# Altium PCB 控制板.PcbDoc (part 6 of 12) (continued)
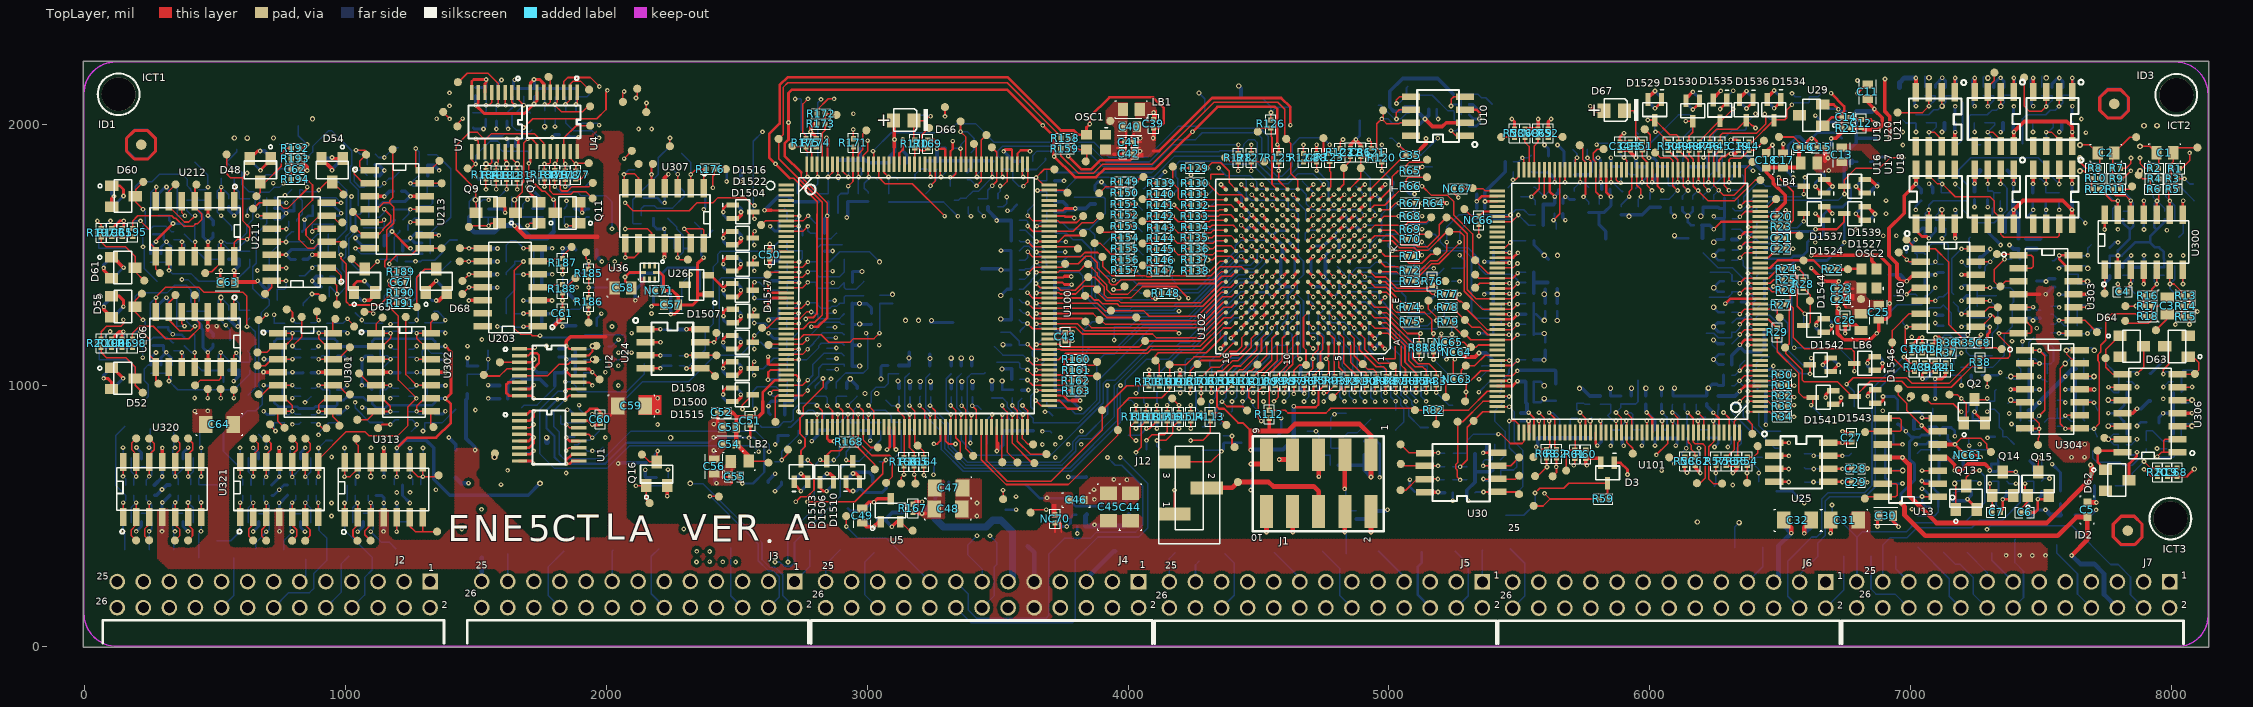
[diagram p0: TopLayer view]
## Nets (pads, with @x,y where several pads share a name; then routed paths per layer and width w, separated by ;. In a path a pad name is that pad's centre, name@x,y a point inside that pad or via, vN(x,y) a via of type N, cw(c..) or ccw(c..) an arc to the next point about the centre after c; other vN are vias at no path point) (continued)
  MidLayer3 w6: v1(1681.9,1225.9) 1722.8,1266.8 1722.8,1513.8 1964.5,1755.5 2048.7,1755.5 2093.6,1800.4 2093.6,1844.2 v1(2068,1869.8)
  BottomLayer w6: R612.2@1648.1,1225.5 1649.4,1224.2 R608.1@1721.5,1224.2
NetR613_2: pad.182@3521.1,564.2 R129.1 R609.1 R613.2 U203.2 | length 4633.8
  TopLayer w6: v1(1681.9,1275.9) 1682.63,1276.63 U203.2@1736.9,1276.63 ; v1(3520.7,599) 3521.1,598.6 pad.182@3521.1,564.2 ; v1(4206.9,1831.3) 4209.6,1834 R129.1@4241.1,1834
  MidLayer2 w6: v1(1595.7,620) 1625.7,650 1798.2,650 1816.5,631.7 2004.4,631.7 2012.7,640 2224,640 2266.1,682.1 2574,682.1 2611.9,644.2 3071.1,644.2 3079.4,635.9 3483.8,635.9 v1(3520.7,599)
  MidLayer3 w6: v1(1595.7,620) 1595.7,722.5 1626.1,752.9 1626.1,1220.1 v1(1681.9,1275.9) ; v1(3520.7,599) 3566.7,645 3727.8,645 3751.6,668.8 3790.3,668.8 3881.9,760.4 3881.9,881.3 4001.9,1001.3 4001.9,1787.5 4029.9,1815.5 4111.5,1815.5 4129,1798 4173.6,1798 v1(4206.9,1831.3)
  BottomLayer w6: R613.2@1647.7,1275 R609.1@1721.5,1275
NetR615_1: pad.80@1447.8,1350.9 R615.1 U203.11 | length 127.7
  TopLayer w6: pad.80@1447.8,1350.9 1473.4,1376.5 U203.11@1526.1,1376.5
  BottomLayer w6: v1(1473.6,1376.3) 1474.9,1375 R615.1@1511.9,1375
NetR616_1: pad.79@1448.2,1400.9 R616.1 U203.10 | length 127.3
  TopLayer w6: pad.79@1448.2,1400.9 1473.73,1426.43 U203.10@1526.1,1426.43
  BottomLayer w6: v1(1473.2,1426.3) 1473.6,1425.9 R616.1@1511.9,1425.9
NetR617_1: pad.78@1437.8,1476.3 R617.1 U203.9 | length 128.5
  TopLayer w6: pad.78@1437.8,1476.3 1437.87,1476.37 U203.9@1526.1,1476.37
  BottomLayer w6: v1(1472.4,1475.9) 1472.8,1475.5 R617.1@1512.4,1475.5
NetR618_1: pad.77@1438.6,1526.7 R618.1 U203.8 | length 126.1
  TopLayer w6: pad.77@1438.6,1526.7 1439,1526.3 U203.8@1526.1,1526.3
  BottomLayer w6: v1(1473.6,1525.9) 1474,1525.5 R618.1@1511.9,1525.5
NetR620_2: pad.120@2063.2,2087.5 R175.2 R620.2 | length 1479.9
  TopLayer w6: pad.120@2063.2,2087.5 2063.2,2122.1 v1(2068.2,2127.1) ; R175.2@2764.9,1946.2 2764.9,1957.1 2753.4,1968.6 2753.4,2079.4 v1(2773.2,2099.2)
  MidLayer2 w6: v1(2068.2,2127.1) 2074.8,2120.5 2244.9,2120.5 2247.9,2117.5 2754.9,2117.5 v1(2773.2,2099.2)
  MidLayer3 w6: v1(1847.4,1708) 1866.6,1708 2010.3,1851.7 2010.3,2069.2 v1(2068.2,2127.1)
  BottomLayer w6: R620.2@1838.2,1677.9 1847.4,1687.1 v1(1847.4,1708)
NetR623_2: pad.70@1428.6,1993.8 R588.1 R623.2 | length 2221.2
  TopLayer w6: pad.70@1428.6,1993.8 1428.6,2003 v1(1449,2023.4)
  MidLayer2 w6: v1(1449,2023.4) 1456.9,2031.3 1938.2,2031.3 1945.3,2038.4 2594.9,2038.4 2604.5,2048 2773.7,2048 v1(2822.8,2097.1)
  MidLayer3 w6: v1(1449,2023.4) 1449,1853 1476.1,1825.9 1616.9,1825.9 1678.6,1764.2 1678.6,1731.8 v1(1697.4,1713)
  BottomLayer w6: R623.2@1678.6,1677.5 1678.6,1694.2 v1(1697.4,1713) ; R588.1@2810.3,1862.5 2810.3,2084.6 v1(2822.8,2097.1)
NetR626_2: pad.69@1374.4,2048.8 R172.1 R626.2 | length 2118.6
  TopLayer w6: pad.69@1374.4,2048.8 1374.4,2047.1 v1(1399,2022.5) ; R172.1@2807.4,2042.5 2807.4,2056.1 2850.5,2099.2 v1(2873.2,2099.2)
  MidLayer2 w6: v1(1399,2022.5) 1426.1,2049.6 1923.1,2049.6 1930.2,2056.7 2591.5,2056.7 2602.8,2068 2768.7,2068 2816.6,2115.9 2856.5,2115.9 v1(2873.2,2099.2)
  MidLayer3 w6: v1(1399,2022.5) 1391.9,2015.4 1391.9,1831.7 1489,1734.6 1526.1,1734.6 v1(1548.6,1712.1)
  BottomLayer w6: R626.2@1509.4,1676.7 1509.4,1695.8 1525.7,1712.1 v1(1548.6,1712.1)
NetR635_2: C407.1 pad.16@1488.6,2046.3 R635.2 U7.5 | length 177.5
  TopLayer w6: v1(1538.2,2074.6) 1550.1,2074.6 1560.29,2084.79 U7.5@1560.29,2123.8
  BottomLayer w6: pad.16@1488.6,2046.3 1532.8,2046.3 1539,2052.5 C407.1@1539,2111.7
NetR637_2: pad.54@1546.1,1134.6 R601.2 R636.1 R637.2 R638.1 | length 828.1
  MidLayer2 w6: v1(1546.9,1100.9) 1622.3,1176.3 1729.9,1176.3 1749.4,1156.8 1749.4,1148.8 1769.8,1128.4 1999,1128.4 v1(2046.5,1175.9)
  BottomLayer w6: R637.2@1466.5,999.6 R638.1@1466.5,1044 1466.7,1043.8 1526.5,1043.8 1546.1,1063.4 pad.54@1546.1,1134.6 ; R601.2@2007.7,1149.6 2020.2,1149.6 v1(2046.5,1175.9)
NetR639_2: pad.68@1250.1,478 R639.2 U313.5 | length 146.9
  TopLayer w6: v1(1195.7,440) 1196.23,440.53 U313.5@1196.23,495
  BottomLayer w6: v1(1195.7,440) 1195.7,476.7 1197,478 pad.68@1250.1,478
NetR640_1: C411.2 pad.29@1095.7,405.5 R640.1 R641.1 U313.3 | length 280.4
  TopLayer w6: pad.29@1095.7,405.5 1095.2,405.5 1073.2,427.5 1073.2,442.5 1096.5,465.8 v1(1096.5,550.5)
  BottomLayer w6: R641.1@1067.8,509.6 1106.5,509.6 1106.5,540.5 1086.6,560.4 C411.2@1086.6,578.8
NetR642_2: C412.1 pad.28@1045.7,405 R642.2 R643.2 U313.2 | length 275.6
  TopLayer w6: pad.28@1045.7,405 1028.6,422.1 1028.6,447.1 1046.1,464.6 v1(1046.1,550)
  BottomLayer w6: R642.2@1027.3,474.2 1027.3,531.2 v1(1046.1,550) 1037.7,558.4 R643.2@1037.7,579.2
NetR644_2: C410.2 pad.66@1052.4,683.4 R644.2 R647.1 U313.10 | length 366.5
  TopLayer w6: v1(1196.1,650) 1196.23,650.13 U313.10@1196.23,705.8
  MidLayer2 w6: v1(1046.1,650.9) 1066.1,630.9 1177,630.9 v1(1196.1,650)
  BottomLayer w6: R644.2@1038.1,618.4 1038.1,642.9 1052.4,657.2 pad.66@1052.4,683.4 ; C410.2@1187,618.8 1187,640.9 1197.4,651.3 R647.1@1197.4,688
NetR645_1: C413.2 pad.12@1587.8,1720.5 R182.2 R645.1 | length 1444.9
  TopLayer w6: R182.2@1617.4,1791.3 1617.8,1790.9 v1(1617.8,1752.5)
  MidLayer3 w6: v1(1246.9,650.5) 1330.3,733.9 1330.3,1193.8 1357.8,1221.3 1384.9,1221.3 1409.4,1245.8 1409.4,1550.9 1520.6,1662.1 1550.3,1662.1 1617.8,1729.6 v1(1617.8,1752.5)
  BottomLayer w6: C413.2@1247.8,688.4 1247.8,649.6 1256.9,640.5 R645.1@1256.9,619.6 ; pad.12@1587.8,1720.5 1587.8,1722.5 v1(1617.8,1752.5)
NetR646_2: D1504.3 pad.52@1072.4,1282.1 R558.2 R646.2 | length 3104.6
  TopLayer w6: pad.52@1072.4,1282.1 1099.9,1282.1 v1(1106.1,1275.9) ; D1504.3@2562,1465.45 2562,1486.3 v1(2567.8,1492.1)
  MidLayer2 w6: v1(1097.4,760.9) 1118.6,782.1 1275.3,782.1 v1(1296.9,760.5) ; v1(1106.1,1275.9) 1106.1,1277.9 1146.6,1318.4 1287.4,1318.4 1311.6,1294.2 1702.3,1294.2 1776.3,1368.2 1776.3,1385 1786.3,1395 1857.1,1395 1878.6,1416.5 2047.1,1416.5 2068.6,1395 2088.6,1395 2104.9,1411.3 2257.6,1411.3 2354.3,1508 2547.7,1508 2563.6,1492.1 v1(2567.8,1492.1)
  MidLayer3 w6: v1(1097.4,760.9) 1097.4,1267.2 v1(1106.1,1275.9) ; v1(2567.8,1492.1) 2600.3,1459.6 2600.3,1195.9 2622.8,1173.4 2735.7,1173.4 2761.9,1199.6 2852.7,1199.6 v1(2876.5,1223.4)
  BottomLayer w6: v1(1296.9,760.5) 1297.4,760 R646.2@1297.4,718.7 ; R558.2@2844.4,1223 2876.1,1223 v1(2876.5,1223.4)
NetR648_1: C415.2 pad.64@1422.4,909 R630.1 R648.1 | length 1915.9
  MidLayer2 w6: v1(1349.4,2023) 1349.4,2020.1 1384.9,1984.6 1471,1984.6 1500.6,2014.2 1781.5,2014.2 v1(1803.2,1992.5)
  MidLayer3 w6: v1(1296.9,825.5) 1311.5,840.1 1311.5,1985.1 v1(1349.4,2023)
  BottomLayer w6: v1(1296.9,825.5) 1303.2,831.8 R648.1@1303.2,858 1371.4,858 pad.64@1422.4,909 ; v1(1803.2,1992.5) 1803.6,1992.9 R630.1@1803.6,2020.9
NetR651_1: C416.2 pad.34@1337.4,1285 R183.2 R651.1 | length 786.9
  TopLayer w6: v1(1577.8,1752.5) R183.2@1577.8,1790.9
  MidLayer3 w6: v1(1382.4,1250.9) 1382.4,1548.4 1513.6,1679.6 1545.7,1679.6 1577.8,1711.7 v1(1577.8,1752.5)
  BottomLayer w6: R651.1@1303.2,1240.5 1373.2,1240.5 1383.6,1250.9 1383.6,1254.6 1353.2,1285 pad.34@1337.4,1285
NetR652_2: D1510.3 pad.65@1252.8,824.2 R546.1 R652.2 | length 2400.1
  TopLayer w6: v1(2919.4,714.2) 2923.7,709.9 D1510.3@2944.85,709.9
  MidLayer2 w6: v1(1272.8,850.9) 1279.4,857.5 1512.3,857.5 1526.1,871.3 1670.7,871.3 1682.8,883.4 1742,883.4 1747.4,888.8 1899.8,888.8 1934,923 2230.8,923 2248.3,940.5 2575.7,940.5 2642.4,873.8 2764.9,873.8 2797,905.9 2816.1,905.9 2828.6,918.4 2828.6,936.7 2841.1,949.2 3016.1,949.2 v2(3036.5,969.6)
  MidLayer3 w6: v1(2919.4,714.2) 2919.4,723.3 3036.5,840.4 v2(3036.5,969.6)
  BottomLayer w6: R652.2@1243.2,868.4 1255.3,868.4 v1(1272.8,850.9) 1272.8,844.2 pad.65@1252.8,824.2 ; v1(2919.4,714.2) 2919.4,746.2 2932.4,759.2 R546.1@2932.4,827.1
NetR653_2: pad.40@1124.9,836.7 Q16B.3 R547.1 R653.2 | length 2524.5
  TopLayer w6: pad.40@1124.9,836.7 1138.7,850.5 v1(1171.9,850.5)
  MidLayer2 w6: v1(1171.9,850.5) 1192.3,870.9 1500.3,870.9 1516.9,887.5 1615.7,887.5 1650.3,922.1 1842.7,922.1 1876.9,956.3 1916.5,956.3 1938.2,934.6 2219,934.6 2269.4,985 2527,985 2555.3,956.7 2590.7,956.7 2606.5,940.9 2629,940.9 2685.7,884.2 2745.6,884.2 2836.9,975.5 2985.6,975.5 v2(2991.3,969.8)
  MidLayer3 w6: v1(2871.9,714.6) 2872.1,714.6 2985.7,828.2 2985.7,940.9 2991.3,946.5 v2(2991.3,969.8)
  BottomLayer w6: v1(1171.9,850.5) 1190.2,868.8 R653.2@1203.2,868.8 ; Q16B.3@2845.65,708.2 2867.2,708.2 2893.6,734.6 R547.1@2893.6,828.8
NetR654_1: C417.2 pad.83@1230.7,1263 R649.2 R654.1 U302.10 | length 459.9
  TopLayer w6: pad.83@1230.7,1263 1231.5,1262.2 1231.5,1042.2 1272.13,1001.57 U302.10@1327.7,1001.57
  BottomLayer w6: R654.1@1242.4,989.6 1260.2,989.6 v1(1271.9,1001.3) 1310.7,1001.3 C417.2@1312.8,999.2 R649.2@1312.8,949.6
NetR655_1: C421.1 pad.42@1051.9,1046.3 R655.1 R657.2 U302.5 | length 259.5
  TopLayer w6: pad.42@1051.9,1046.3 1052.3,1046.3 1097.7,1000.9 v1(1171.1,1000.9)
  BottomLayer w6: R657.2@1133.1,944.2 1133.1,984.1 1154.3,984.1 v1(1171.1,1000.9) 1182,990 R655.1@1203.2,990
NetR656_2: C423.2 pad.13@471.5,986.7 pad.24@1923.2,1976.7 R629.1 R656.2 | length 3556.8
  TopLayer w6: v1(471.1,951.7) 471.1,986.3 pad.13@471.5,986.7
  MidLayer2 w6: v1(471.1,951.7) 501.1,981.7 729.5,981.7 777.8,933.4 813.2,933.4 829.9,916.7 884,916.7 902.8,935.5 v1(1036.9,935.5) ; v2(573.6,1949.2) 601.5,1977.1 1288.2,1977.1 1396.1,1869.2 1916.9,1869.2 1972.4,1924.7 v1(1972.4,1949.6)
  MidLayer3 w6: v1(471.1,951.7) 541.1,1021.7 541.1,1124.6 562.4,1145.9 562.4,1262.9 503.2,1322.1 503.2,1658.8 546.9,1702.5 546.9,1922.5 v2(573.6,1949.2)
  BottomLayer w6: v1(1036.9,935.5) 1036.9,914.7 1093.2,858.4 R656.2@1142.8,858.4 ; R629.1@1843.6,2021.3 1843.6,2007.2 1874.1,1976.7 1945.3,1976.7 v1(1972.4,1949.6)
NetR658_1: C419.2 pad.53@1402.4,1124.6 R650.2 R658.1 U302.12 | length 298.9
  TopLayer w6: v1(1272.8,1100.9) 1273.33,1101.43 U302.12@1327.7,1101.43
  BottomLayer w6: R658.1@1242.8,1108 1265.7,1108 1274.5,1099.2 C419.2@1312.4,1099.2 1294.4,1117.2 1294.4,1131.2 R650.2@1312.4,1149.2 1317.8,1143.8 1317.8,1134.6 1327.8,1124.6 pad.53@1402.4,1124.6
NetR659_1: C422.1 pad.52@1142.8,1064.2 R659.1 R663.2 U302.3 | length 223.2
  TopLayer w6: U302.3@1116.9,1101.43 1172.27,1101.43 v1(1172.4,1101.3)
  BottomLayer w6: R663.2@1133.6,1155 1133.6,1114.2 1159.5,1114.2 v1(1172.4,1101.3) ; pad.52@1142.8,1064.2 1142.8,1067.2 1172.4,1096.8 v1(1172.4,1101.3) ; R659.1@1202.8,1108.4 1179.5,1108.4 v1(1172.4,1101.3)
NetR660_2: pad.35@1278.2,1290 Q14B.3 R544.1 R660.2 | length 2894.3
  TopLayer w6: v1(2770.3,554.2) 2951.9,554.2 3059.4,661.7 3059.4,702.1 v1(3071.5,714.2)
  MidLayer2 w6: v1(1346.1,600.5) 1364.5,582.1 1976.5,582.1 1990.2,568.4 2196.2,568.4 2229.5,601.7 2527,601.7 2550.7,578 2744.8,578 v1@2769,553.8
  MidLayer3 w6: v1(1272.4,1251.3) 1291.1,1232.6 1291.1,1142.9 1244.9,1096.7 1244.9,801.7 1227.4,784.2 1227.4,644.2 1271.1,600.5 v1(1346.1,600.5)
  BottomLayer w6: R660.2@1243.2,1240 1262.7,1240 1278.2,1255.5 pad.35@1278.2,1290 ; Q14B.3@3046.95,708.6 3065.9,708.6 v1(3071.5,714.2) 3096.9,714.2 3130.3,747.6 R544.1@3130.3,827.5
NetR661_2: D1508.3 pad.103@2592.1,1213 R551.2 R661.2 | length 2467.3
  TopLayer w6: D1508.3@2561.8,1166.25 2561.8,1185.9 v1(2567.4,1191.5)
  MidLayer2 w6: v1(1172.4,1235.5) 1186.6,1221.3 1556.9,1221.3 1581.7,1196.5 1707.3,1196.5 1725,1214.2 1774.9,1214.2 1780.5,1208.6 2061.3,1208.6 2094.9,1175 2120.3,1175 2193.7,1248.4 2538.3,1248.4 2549.5,1259.6 2571.5,1259.6 2585.7,1245.4 2585.7,1209.8 v1(2567.4,1191.5) 2585.9,1191.5 2694,1299.6 2807,1299.6 2840.5,1266.1 2911.7,1266.1 2977.3,1200.5 v1(2996.1,1200.5)
  BottomLayer w6: v1(1172.4,1235.5) 1176.9,1240 R661.2@1202.8,1240 ; v1(2567.4,1191.5) 2570.6,1191.5 pad.103@2592.1,1213 ; R551.2@2881.5,989.6 2881.5,1012.5 2917,1048 2985.3,1048 3002.8,1065.5 3002.8,1193.8 v1(2996.1,1200.5)
NetR662_1: C424.2 pad.22@1765.3,1979.2 pad.37@1037.6,1279.2 R631.1 R662.1 | length 1591.4
  MidLayer2 w6: v1(1062.4,1251.3) 1131.6,1182.1 1516.6,1182.1 v1(1522.4,1176.3)
  MidLayer3 w6: v1(1522.4,1176.3) 1522.4,1235.1 1610.7,1323.4 1610.7,1498 1757.8,1645.1 1757.8,1718.4 1784,1744.6 1784,1925.5 1763.2,1946.3 v3(1763.2,1992.5)
  BottomLayer w6: pad.37@1037.6,1279.2 1063.6,1253.2 1063.6,1250.1 1074.1,1239.6 R662.1@1143.2,1239.6 ; R631.1@1763.2,2021.7 1763.2,1981.3 pad.22@1765.3,1979.2
NetR665_2: C466.1 pad.31@1402.8,1475.5 Q30B.3 R665.2 R666.2 R667.2 | length 404.9
  BottomLayer w6: R667.2@1229,1435 1229,1315 1249.4,1315 1269,1334.6 1269,1410.8 1302.8,1444.6 1371.9,1444.6 pad.31@1402.8,1475.5
NetR667_1: pad.76@1368.2,1526.3 R667.1 U213.8 | length 287.3
  TopLayer w6: v1(1167.8,1465.9) 1167.8,1471.8 1197.3,1501.3 1253.2,1501.3 1278.2,1526.3 pad.76@1368.2,1526.3
  BottomLayer w6: v1(1167.8,1465.9) 1166.1,1464.2 1166.1,1443.4 1174.5,1435 R667.1@1197.8,1435
NetR668_1: C467.2 D65.3 pad.57@1023.2,1485.9 R668.1 R669.1 R670.1 | length 340.6
  TopLayer w6: pad.57@1023.2,1485.9 1023.2,1485.4 1060.2,1448.4 1095.3,1448.4 v1(1122.8,1475.9)
  BottomLayer w6: v1(1122.8,1475.9) 1130.3,1483.4 1189.9,1483.4 R668.1@1197.8,1475.5 1197.8,1494.6 1187.4,1505 1187.4,1569.3 1208.2,1590.1 R670.1@1208.2,1595
NetR670_2: pad.29@1283.2,1640.5 R670.2 U213.10 | length 131.4
  TopLayer w6: v1(1248.2,1625.9) 1248.33,1625.77 U213.10@1304,1625.77
  BottomLayer w6: R670.2@1239.4,1595 1239.4,1617.1 v1(1248.2,1625.9) 1262.8,1640.5 pad.29@1283.2,1640.5
NetR671_1: pad.74@1368.6,1775.5 R151.1 R671.1 R672.1 U213.13 | length 3181.4
  TopLayer w6: v1(1248.6,1775) 1368.1,1775 pad.74@1368.6,1775.5 ; v1(3941.5,1695.5) R151.1@3972.6,1695.5
  MidLayer2 w6: v1(1248.6,1775) 1275.8,1775 1422,1628.8 1925.4,1628.8 2072.1,1775.5 2365.7,1775.5 2399.7,1741.5 2416.1,1741.5 2436.5,1761.9 2652.8,1761.9 2708.2,1706.5 2877,1706.5 2895.1,1688.4 3119.9,1688.4 3202.8,1605.5 3530.1,1605.5 3603,1678.4 3771.7,1678.4 3790,1696.7 3808.8,1696.7 3815,1690.5 3936.5,1690.5 v1(3941.5,1695.5)
  BottomLayer w6: R671.1@1282.8,1764.2 1259.5,1764.2 1248.6,1775.1 1249.5,1775.1 1279.4,1805 R672.1@1283.6,1805
NetR674_1: pad.73@1359.9,1861.3 R130.1 R673.1 R674.1 U213.14 | length 3623.6
  TopLayer w6: v1(1269,1908.8) 1269,1837.6 1280.3,1826.3 1324.9,1826.3 pad.73@1359.9,1861.3 ; v1(4207.4,1775.9) 4207.8,1776.3 R130.1@4242.8,1776.3
  MidLayer2 w4: 3884.9,1764.8 4043.4,1764.8 4069.9,1791.3 4192,1791.3 v1(4207.4,1775.9)
  MidLayer2 w6: v1(1269,1908.8) 1269,1868.9 1456,1681.9 1565.7,1681.9 1588.4,1704.6 1627.4,1704.6 1644.5,1687.5 1856.9,1687.5 1947.4,1778 1947.4,1852.2 1995.7,1900.5 2621.9,1900.5 2757.4,1765 2903,1765 2921.1,1746.9 3147.5,1746.9 3164.8,1729.6 3500.7,1729.6 3536.6,1765.5 3566.6,1765.5 3582.4,1781.3 3726.7,1781.3 3746.9,1801.5 3762.4,1801.5 3795.1,1768.8 3880.9,1768.8 3884.9,1764.8
  BottomLayer w6: v1(1269,1908.8) 1283.2,1894.6 R673.1@1283.2,1845
NetR678_1: pad.60@1032.8,1600.9 R678.1 U213.6 | length 280.7
  TopLayer w6: pad.60@1032.8,1600.9 1039.8,1600.9 1064.87,1575.83 1123.53,1575.83 1143.6,1595.9 1143.6,1598.8 1172.8,1628 1172.8,1651.3 v1(1148.2,1675.9)
  BottomLayer w6: R678.1@1119.4,1645 1129.8,1645 1148.2,1663.4 v1(1148.2,1675.9)
NetR680_1: pad.80@4057.8,1754.6 R139.1 R680.1 R681.1 U213.2 | length 3782.6
  TopLayer w6: v1(1034,1824.6) 1034,1809.7 1068.13,1775.57 U213.2@1093.2,1775.57 ; v1(4081.9,1775.5) R139.1@4110.9,1775.5
  MidLayer2 w4: 3884.6,1748.8 3925.7,1748.8 3931.7,1754.8 4050.4,1754.8 4071.1,1775.5
  MidLayer2 w6: v1(1034,1824.6) 1034,1871.7 1052.3,1890 1231.1,1890 1451.1,1670 1575.6,1670 1596.9,1691.3 1624.1,1691.3 1642.9,1672.5 1864.4,1672.5 1959.4,1767.5 1959.4,1847.1 1999.4,1887.1 2517.8,1887.1 2571.1,1833.8 2655.7,1833.8 2736.3,1753.2 2897.6,1753.2 2915.3,1735.5 3141.5,1735.5 3181.5,1695.5 3517,1695.5 3523.2,1701.7 3545.3,1701.7 3572,1728.4 3604.5,1728.4 3642.4,1766.3 3738.6,1766.3 3747.8,1757.1 3876.3,1757.1 3884.6,1748.8 ; 4071.1,1775.5 v1(4081.9,1775.5)
  BottomLayer w6: R680.1@1082.8,1765.5 1074.9,1765.5 1069.9,1760.5 1054.4,1760.5 1034,1780.9 v1(1034,1824.6) 1063.7,1824.6 R681.1@1082.8,1805.5 ; pad.80@4057.8,1754.6 4061,1754.6 v1(4081.9,1775.5)
NetR683_1: pad.66@1078.6,1885 R131.1 R682.1 R683.1 U213.1 | length 3879
  TopLayer w6: v1(1039.9,1902.5) 1073.7,1902.5 1078.6,1897.6 1078.6,1885.5 1054,1860.9 1054,1840.1 1070.7,1823.4 1091.1,1823.4 U213.1@1093.2,1825.5 ; v1(4209.9,1733) 4210.3,1733.4 R131.1@4242.6,1733.4
  MidLayer2 w4: 3913.1,1720.5 4041.3,1720.5 4070.4,1749.6 4178.6,1749.6 4195.2,1733 v1(4209.9,1733)
  MidLayer2 w6: v1(1039.9,1902.5) 1017.4,1880 1017.4,1810.4 1021.5,1806.3 1298.2,1806.3 1449,1655.5 1579.4,1655.5 1602.9,1679 1619.2,1679 1638.4,1659.8 1871.5,1659.8 2059.7,1848 2515.6,1848 2573.1,1790.5 2662.4,1790.5 2723.7,1729.2 2891.9,1729.2 2909,1712.1 3129.9,1712.1 3209,1633 3470.1,1633 3487.8,1650.7 3542,1650.7 3593.8,1702.5 3621.4,1702.5 3635.8,1716.9 3769.6,1716.9 3776.1,1723.4 3910.2,1723.4 3913.1,1720.5
  BottomLayer w6: v1(1039.9,1902.5) 1056.1,1886.3 R683.1@1083.2,1886.3 R682.1@1083.2,1845.9
NetR684_1: C475.2 pad.32@1018.2,1471.7 Q31B.3 R678.2 R679.1 R684.1 | length 403.6
  BottomLayer w6: Q31B.3@1073.2,1444.6 1046.5,1444.6 1012.8,1478.3 1012.8,1564.2 1038.2,1589.6 1038.2,1648.8 1046.9,1657.5 1056,1657.5 C475.2@1088.6,1690.1 ; R678.2@1088.2,1645 1088.2,1689.7 C475.2@1088.6,1690.1 ; R679.1@1088.6,1725.5 C475.2@1088.6,1690.1
NetR685_2: pad.173@6106.5,1930.9 Q10B.3 R396.1 R685.2 | length 8083.3
  MidLayer2 w6: v1(946.1,500) 949,497.1 1379,497.1 1433.2,551.3 1529,551.3 1543.2,537.1 2963.1,537.1 3008.5,582.5 3418.2,582.5 3685.2,315.5 5930.3,315.5 6091.5,476.7 v2(6182.8,476.7)
  MidLayer3 w6: v1(946.1,500) 946.1,523.4 968.2,545.5 968.2,684.3 996.1,712.2 v1(996.1,760.5) ; v1(5796.9,1923.6) 5796.9,1904.7 5882.8,1818.8 5910.7,1818.8 5948.2,1781.3 5948.2,1675.4 5958.6,1665 5958.6,954.6 5941.9,937.9 5941.9,700.1 6165.3,476.7 v2(6182.8,476.7)
  BottomLayer w6: v1(996.1,760.5) 997.4,759.2 R685.2@997.4,719.2 ; v1(5796.9,1923.6) 5801.7,1928.4 5907.3,1928.4 5927.7,1908 5981.1,1908 6110.6,2037.5 6157.4,2037.5 6165.25,2029.65 6165.25,1987.45 6106.1,1928.3 R396.1@6106.1,1839.2
NetR686_2: C426.2 pad.27@845.3,405 R686.2 R692.1 U321.6 | length 279.9
  TopLayer w6: pad.27@845.3,405 845.3,405.5 863.6,423.8 863.6,447.1 845.3,465.4 v1(845.3,550.5)
  BottomLayer w6: R692.1@856.9,578.8 856.9,562.1 v1(845.3,550.5) 867,528.8 R686.2@867,473.4
NetR688_1: C428.1 pad.26@794.9,405 R687.1 R688.1 U321.5 | length 279.7
  TopLayer w6: pad.26@794.9,405 812.8,422.9 812.8,447.1 795.3,464.6 v1(795.3,550.9)
  BottomLayer w6: C428.1@808.6,579.2 808.6,564.2 787.4,543 R688.1@787.4,508.8 R687.1@827.4,508.8
NetR689_1: C429.2 pad.25@695.7,405.5 R689.1 R690.1 U321.3 | length 277.6
  TopLayer w6: pad.25@695.7,405.5 678.2,423 678.2,447.1 696.1,465 v1(696.1,550.5)
  BottomLayer w6: R690.1@666.9,509.2 707,509.2 707,539.6 686.2,560.4 C429.2@686.2,578.4
NetR691_2: C432.1 pad.24@645.7,406.3 R691.2 R699.1 U321.2 | length 274
  TopLayer w6: pad.24@645.7,406.3 629,423 629,450.1 646.1,467.2 v1(646.1,550.5)
  BottomLayer w6: R691.2@627.7,474.2 627.7,532.1 v1(646.1,550.5) 636.9,559.7 R699.1@636.9,578.6
NetR692_2: C426.1 R655.2 R684.2 R692.2 R756.1 TP1512.1 U321.7 | length 2631.5
  TopLayer w6: U321.7@895.3,495.9 895.3,550.1 v1(895.7,550.5)
  MidLayer3 w6: v1(852.8,1874.6) 818.2,1840 818.2,1363 874.5,1306.7 1104,1306.7 1152.8,1257.9 1152.8,969.6 v1(1171.5,950.9) 1124,903.4 1124,545.8 1062,483.8 933.2,483.8 895.7,521.3 v1(895.7,550.5)
  BottomLayer w6: R756.1@823.6,1910.9 852.8,1881.7 v1(852.8,1874.6) 873.6,1895.4 873.6,1916.7 933.2,1976.3 947.8,1976.3 1023.6,1900.5 1023.6,1844.2 1017.8,1838.4 1017.8,1780.1 1048.6,1749.3 R684.2@1048.6,1690.4 ; R692.2@888.1,578.8 888.1,558.1 897.8,548.4 C426.1@897.8,513.8 ; v1(1171.5,950.9) 1179.4,958.8 R655.2@1203.2,958.8
NetR693_2: C427.1 R191.1 R192.2 R654.2 R693.2 TP1514.1 U321.8 | length 2198.2
  TopLayer w6: R192.2@823.1,1909.2 838.2,1909.2 v1(852.8,1923.8) ; v1(896.1,650.5) 896.1,716.7 1002.8,823.4 1074,823.4 1090.7,806.7 1199.4,806.7 1237.8,845.1 1237.8,917.2 v1(1271.5,950.9) 1271.5,952.2 1202.8,1020.9 1202.8,1265.4 1169.4,1298.8 1169.4,1300.4 1184.9,1315.9 R191.1@1196.5,1315.9
  MidLayer3 w6: v1(852.8,1923.8) 870.7,1905.9 870.7,1634.2 830.7,1594.2 830.7,1367.9 866.9,1331.7 994.1,1331.7 1006.6,1344.2 1124,1344.2 v1(1166.9,1301.3)
  BottomLayer w6: TP1514.1@818.6,1996.7 818.6,1958 v1(852.8,1923.8) ; R693.2@887.7,618.8 887.7,642.1 898.6,653 C427.1@898.6,683.4 ; R654.2@1242.4,958.4 1264,958.4 v1(1271.5,950.9)
NetR694_1: C427.2 pad.35@846.1,796.3 R693.1 R694.1 U321.9 | length 281.2
  TopLayer w6: v1(845.7,650.5) 845.7,734.6 865.3,754.2 865.3,777.1 pad.35@846.1,796.3
  BottomLayer w6: R693.1@856.5,618.8 856.5,639.7 v1(845.7,650.5) 847.9,650.5 866.5,669.1 R694.1@866.5,723.8
NetR696_1: C430.1 pad.34@795.7,796.3 R695.1 R696.1 U321.10 | length 290.1
  TopLayer w6: v1(795.7,650) 795.7,735.5 814.4,754.2 814.4,777.6 pad.34@795.7,796.3
  BottomLayer w6: R696.1@787.4,687.5 787.4,658.3 807.8,637.9 C430.1@807.8,618.8 ; v1(795.7,650) 827.4,681.7 R695.1@827.4,688
NetR697_1: C431.2 pad.31@696.1,796.3 R697.1 R698.1 U321.12 | length 277.9
  TopLayer w6: v1(695.7,650) 695.7,735.5 714,753.8 714,778.4 pad.31@696.1,796.3
  BottomLayer w6: R698.1@666.5,687.5 706,687.5 706,661.2 685.7,640.9 C431.2@685.7,618.8
NetR699_2: C432.2 pad.30@1372.8,1530.9 R659.2 R668.2 R699.2 R753.2 TP1511.1 U321.1 | length 2695.7
  TopLayer w6: U321.1@595.7,495.9 v1(595.7,550.9)
  MidLayer2 w6: v1(595.7,550.9) 629.4,584.6 934,584.6 953.6,604.2 1181.9,604.2 v1(1196.1,590) ; v1(767.8,1729.6) 833.6,1663.8 939.5,1663.8 978.3,1625 1030.3,1625 1109.4,1545.9 1253.6,1545.9 1268.2,1531.3 v1(1268.2,1476.3)
  MidLayer3 w6: v1(1196.1,590) 1171.5,614.6 1171.5,799.2 1192.8,820.5 1192.8,1130.5 v1(1172.4,1150.9) 1194.9,1173.4 1194.9,1298.7 1149.9,1343.7 1149.9,1359.6 1266.6,1476.3 v1(1268.2,1476.3)
  BottomLayer w6: C432.2@596.2,513.8 596.2,550.1 605.7,559.6 R699.2@605.7,578.6 ; v1(767.8,1729.6) 771.9,1729.6 R753.2@792.8,1750.5 ; v1(1172.4,1150.9) 1183.7,1139.6 R659.2@1202.8,1139.6 ; R668.2@1229,1475.5 1288.6,1475.5 1293.6,1480.5 1342,1480.5 1372.8,1511.3 pad.30@1372.8,1530.9 1399.9,1558 TP1511.1@1429,1558
NetR700_2: C435.1 pad.33@1133.6,1300 R658.2 R665.1 R700.2 R743.1 TP52.1 U321.14 | length 2377.1
  TopLayer w6: v1(595.7,650.5) U321.14@595.7,706.7 ; v1(982.4,1500.9) 982.4,1486.3 1002.4,1466.3 1002.4,1321.3 1014.9,1308.8 1131.5,1308.8 1167.4,1344.7 v1(1167.4,1351.3)
  MidLayer2 w6: v1(595.7,650.5) 626.2,620 1217.4,620 v1(1246.9,590.5)
  MidLayer3 w6: v1(1167.4,1351.3) 1228.2,1290.5 1228.2,1195.9 v1(1272.8,1151.3) 1215.3,1093.8 1215.3,622.1 v1(1246.9,590.5)
  BottomLayer w6: TP52.1@531.9,818.8 531.9,748.4 595.7,684.6 v1(595.7,650.5) 606.2,640 R700.2@606.2,618.4 ; R743.1@973.6,1534.2 973.6,1509.7 v1(982.4,1500.9) ; pad.33@1133.6,1300 1149,1315.4 1149,1343.8 1156.5,1351.3 v1(1167.4,1351.3) 1167.4,1344.6 R665.1@1197.4,1314.6 ; R658.2@1242.8,1139.2 1260.7,1139.2 v1(1272.8,1151.3)
NetR701_1: C435.2 pad.30@646.1,796.3 R700.1 R701.1 U321.13 | length 276.6
  TopLayer w6: v1(645.7,650.9) 645.7,734.6 664.4,753.3 664.4,778 pad.30@646.1,796.3
  BottomLayer w6: R701.1@627.8,723.4 627.8,668.8 v1(645.7,650.9) 637.4,642.6 R700.1@637.4,618.4
NetR702_2: C436.1 pad.20@396.1,406.3 R702.2 R703.2 U320.6 | length 276.7
  TopLayer w6: pad.20@396.1,406.3 413.2,423.4 413.2,448.8 396.1,465.9 v1(396.1,551.3)
  BottomLayer w6: R703.2@406.2,578.8 406.2,561.4 v1(396.1,551.3) 416.2,531.2 R702.2@416.2,473.8
NetR703_1: C436.2 R703.1 R724.2 R778.2 R801.1 TP1508.1 U320.7 | length 2140.4
  TopLayer w6: v1(446.1,551.7) 446.5,551.3 U320.7@446.5,496.3
  MidLayer2 w6: v1(421.5,952.1) 467.8,998.4 629,998.4 649,1018.4 729.4,1018.4 v1(796.1,951.7)
  MidLayer3 w6: v1(223.6,1531.7) 263.2,1571.3 323.6,1571.3 372.4,1522.5 v1(372.4,1406.3) 364,1397.9 364,1159.6 447.4,1076.2 447.4,978 396.9,927.5 396.9,794.2 415.3,775.8 415.3,583 446.1,552.2 v1(446.1,551.7)
  BottomLayer w6: R801.1@222.8,1568.8 222.8,1532.5 228.6,1526.7 228.6,1448.8 TP1508.1@277.4,1400 ; v1(372.4,1406.3) 396.1,1406.3 438.6,1363.8 438.6,1325.1 R778.2@437.3,1323.8 ; R703.1@437.4,578.8 437.4,560.4 446.9,550.9 C436.2@446.9,513 ; v1(796.1,951.7) 802.8,958.4 R724.2@827.4,958.4
NetR704_1: C437.2 R197.2 R704.1 R723.2 R777.2 TP1513.1 U320.8 | length 2315.6
  TopLayer w6: v1(48.2,1630.9) 63.6,1615.5 R197.2@63.6,1601.7 ; v1(446.5,651.3) U320.8@446.5,707.1
  MidLayer2 w6: v1(97.4,1207.1) 97.4,1185 247.4,1035 736.1,1035 793.6,977.5 802.4,977.5 v1(844.4,935.5)
  MidLayer3 w6: v1(48.2,1630.9) 69.4,1652.1 108.2,1652.1 120.7,1639.6 120.7,1308 166.9,1261.8 166.9,1240.5 151,1224.6 114.9,1224.6 v1(97.4,1207.1) ; v1(446.5,651.3) 643.2,848 768.6,848 844.4,923.8 v1(844.4,935.5)
  BottomLayer w6: R777.2@62.8,1174.2 95.7,1207.1 v1(97.4,1207.1) ; C437.2@447.7,683.8 447.7,652.5 437.4,642.2 R704.1@437.4,618.8 507.4,618.8 TP1513.1@522.4,603.8 ; v1(844.4,935.5) 845.7,935.5 R723.2@867.8,957.6
NetR705_1: C437.1 pad.19@396.5,797.1 R704.2 R705.1 U320.9 | length 277.5
  TopLayer w6: v1(396.5,651.3) 396.5,736.3 414.4,754.2 414.4,779.2 pad.19@396.5,797.1
  BottomLayer w6: R704.2@406.9,618.8 406.9,640.9 v1(396.5,651.3) 415.7,670.5 R705.1@415.7,723.4
NetR707_2: C438.2 pad.21@345.7,405.9 R706.2 R707.2 U320.5 | length 277.5
  TopLayer w6: pad.21@345.7,405.9 364.9,425.1 364.9,448.3 346.5,466.7 v1(346.5,551.3)
  BottomLayer w6: C438.2@357.7,579.2 357.7,560.8 337.8,540.9 337.8,509.6 R706.2@376.5,509.6
NetR708_2: C442.2 pad.22@246.9,406.7 R708.2 R709.2 U320.3 | length 276.3
  TopLayer w6: pad.22@246.9,406.7 229.4,424.2 229.4,449.6 247.4,467.6 v1(247.4,550.9)
  BottomLayer w6: R709.2@217.4,509.6 R708.2@257.1,509.6 257.1,541.2 236.6,561.7 C442.2@236.6,578.8